# KiCad board oibus-mini-CCC_PANEL.kicad_pcb (continued)
## Routing (per net, layer and track width the routed paths; a pad name or vN(x,y) marks a point on that pad's centre or on a via; arc(x,y) is an arc through that point) (continued)
GND: length 5279.1
  Top w0.15: U6#2.2 38.26,21.06 C10#2.1 38.2,21.53 38.27,21.6 v2(38.39,21.6) ; R18#2.2 v2(52.6,30.41) ; U6#4.2 112.26,21.06 C10#4.1 112.2,21.53 112.27,21.6 v2(112.39,21.6) ; R18#4.2 v2(126.6,30.41) ; U6#3.2 75.26,21.06 C10#3.1 75.2,21.53 75.27,21.6 v2(75.39,21.6) ; R18#3.2 v2(89.6,30.41) ; R18#5.2 v2(163.6,30.41) ; U6#5.2 149.26,21.06 C10#6.1 149.2,21.53 149.27,21.6 v2(149.39,21.6) ; v2(186.39,21.6) 186.27,21.6 186.2,21.53 C10#5.1 186.26,21.06 U6#6.2 ; R18#6.2 v2(200.6,30.41) ; U6#8.2 260.26,21.06 C10#8.1 260.2,21.53 260.27,21.6 v2(260.39,21.6) ; R18#7.2 v2(274.6,30.41) ; R18#8.2 v2(237.6,30.41) ; U6#7.2 223.26,21.06 C10#7.1 223.2,21.53 223.27,21.6 v2(223.39,21.6) ; U6#12.2 38.26,87.06 C10#13.1 38.2,87.53 38.27,87.6 v2(38.39,87.6) ; R18#13.2 v2(52.6,96.41) ; R18#11.2 v2(89.6,96.41) ; U6#9.2 75.26,87.06 C10#12.1 75.2,87.53 75.27,87.6 v2(75.39,87.6) ; U6#10.2 1.26,87.06 C10#9.1 1.2,87.53 1.27,87.6 v2(1.39,87.6) ; R18#9.2 v2(15.6,96.41) ; v2(112.39,87.6) 112.27,87.6 112.2,87.53 C10#11.1 112.26,87.06 U6#11.2 ; R18#12.2 v2(126.6,96.41) ; U6#14.2 186.26,87.06 C10#14.1 186.2,87.53 186.27,87.6 v2(186.39,87.6) ; R18#10.2 v2(200.6,96.41) ; R18#14.2 v2(163.6,96.41) ; U6#13.2 149.26,87.06 C10#10.1 149.2,87.53 149.27,87.6 v2(149.39,87.6) ; v2(260.39,87.6) 260.27,87.6 260.2,87.53 C10#16.1 260.26,87.06 U6#16.2 ; R18#16.2 v2(237.6,96.41) ; U6#15.2 223.26,87.06 C10#15.1 223.2,87.53 223.27,87.6 v2(223.39,87.6) ; R18#15.2 v2(274.6,96.41) ; U6#24.2 1.26,219.06 C10#24.1 1.2,219.53 1.27,219.6 v2(1.39,219.6) ; R18#24.2 v2(15.6,228.41) ; U6#23.2 75.26,219.06 C10#28.1 75.2,219.53 75.27,219.6 v2(75.39,219.6) ; U6#28.2 38.26,219.06 C10#29.1 38.2,219.53 38.27,219.6 v2(38.39,219.6) ; R18#29.2 v2(52.6,228.41) ; R18#27.2 v2(89.6,228.41) ; v2(112.39,219.6) 112.27,219.6 112.2,219.53 C10#27.1 112.26,219.06 U6#27.2 ; R18#28.2 v2(126.6,228.41) ; R18#30.2 v2(163.6,228.41) ; U6#29.2 149.26,219.06 C10#26.1 149.2,219.53 149.27,219.6 v2(149.39,219.6) ; v2(186.39,219.6) 186.27,219.6 186.2,219.53 C10#30.1 186.26,219.06 U6#30.2 ; R18#26.2 v2(200.6,228.41) ; U6#20.2 38.26,153.06 C10#21.1 38.2,153.53 38.27,153.6 v2(38.39,153.6) ; R18#21.2 v2(52.6,162.41) ; R18#19.2 v2(89.6,162.41) ; U6#17.2 75.26,153.06 C10#20.1 75.2,153.53 75.27,153.6 v2(75.39,153.6) ; U6#18.2 1.26,153.06 C10#17.1 1.2,153.53 1.27,153.6 v2(1.39,153.6) ; R18#17.2 v2(15.6,162.41) ; v2(112.39,153.6) 112.27,153.6 112.2,153.53 C10#19.1 112.26,153.06 U6#19.2 ; R18#20.2 v2(126.6,162.41) ; U6#22.2 186.26,153.06 C10#22.1 186.2,153.53 186.27,153.6 v2(186.39,153.6) ; R18#18.2 v2(200.6,162.41) ; R18#22.2 v2(163.6,162.41) ; U6#21.2 149.26,153.06 C10#18.1 149.2,153.53 149.27,153.6 v2(149.39,153.6) ; v2(260.39,153.6) 260.27,153.6 260.2,153.53 C10#25.1 260.26,153.06 U6#26.2 ; R18#25.2 v2(237.6,162.41) ; U6#25.2 223.26,153.06 C10#23.1 223.2,153.53 223.27,153.6 v2(223.39,153.6) ; R18#23.2 v2(274.6,162.41) ; v2(260.39,219.6) 260.27,219.6 260.2,219.53 C10#32.1 260.26,219.06 U6#32.2 ; R18#31.2 v2(274.6,228.41) ; R18#32.2 v2(237.6,228.41) ; U6#31.2 223.26,219.06 C10#31.1 223.2,219.53 223.27,219.6 v2(223.39,219.6) ; v2(1.39,21.6) 1.27,21.6 1.2,21.53 C10.1 1.26,21.06 U6.2 ; R18.2 v2(15.6,30.41)
  Top w0.2: v2(49.8,48.81) 49.8,48.66 48.6,47.46 U2#2.1 ; v2(42.8,49.01) 42.9,48.91 U2#2.4 ; R23#2.2 v2(51.3,49.31) ; v2(41.05,48.94) 41,48.89 U2#2.5 ; v2(72.75,27.46) 72.79,27.5 C25#2.2 ; 42.4,21.06 41.45,21.06 41.2,20.81 40.95,21.06 40,21.06 ; 40.35,21.06 40.3,21.01 ; U6#2.8 41.05,21.56 41,21.51 U6#2.9 ; v2(50.2,23.61) 49.8,23.21 R5#2.2 ; v2(41.8,28.01) 42,27.81 C18#2.2 ; v2(40.2,26.21) 39.18,26.21 38.08,27.31 SW2#2.2 ; 37.8,35.56 37.8,32.99 38.08,32.71 SW2#2.2 ; 37.8,35.56 38.2,35.96 U2#2.10 v2(39.8,36.91) ; 37.8,35.56 38.2,35.56 v2(38.35,35.41) ; P1#2.3 54.53,26.03 v2(54.6,25.96) ; U3#2.6 69.53,55.01 v2(70.35,55.83) ; v2(65.64,37.76) 66.14,37.26 U8#2.8 ; v2(41.4,32.31) 41.71,32 C13#2.2 ; v2(41.4,32.31) 41,32.71 U2#2.11 ; v2(41.4,32.31) 41.5,32.21 ; U3#2.EGP7 66.47,55.08 v2(66.6,55.21) ; v2(66.6,55.21) 66.72,55.33 U3#2.EGP9 ; v2(66.6,55.21) U3#2.EGP10 65.58,57.48 66,57.91 U3#2.12 ; v2(66.6,55.21) 66.72,55.08 ; U3#2.14 64,57.81 64.42,57.38 U3#2.EGP11 64.33,56.23 v2(63.3,55.21) ; U8#2.35 57.45,34.26 C19#2.1 55.9,33.41 v2(55.5,33.01) ; C6#2.1 v2(71,18.51) ; v2(72.6,23.01) 72.9,22.71 D5#2.1 ; v2(68.7,26.41) 68.4,26.41 68.03,26.78 U7#2.2 ; U2#2.6 v2(40.1,44.51) ; v2(60.77,42.28) 60.89,42.16 U8#2.23 ; v2(57.1,41.91) 56.96,41.77 C20#2.1 ; v2(50,34.51) 49.6,34.11 U2#2.15 ; v2(53.2,37.11) 53,36.91 U2#2.16 ; H2#2.4 52.05,13.06 C9#2.1 54.3,15.97 54.3,14.81 v2(54.1,14.61) ; J2#2.6 J2#2.6 ; J2#2.6 J2#2.6 ; v2(43.24,11.08) 43.12,11.21 J2#2.5 J2#2.6 ; v2(43.24,11.08) 42.46,11.21 ; v2(43.24,11.08) 43.34,11.21 43.85,11.21 44.3,11.66 U10#2.3 ; C26#2.1 v2(73.4,34.51) ; C26#2.1 72.79,34.72 C16#2.2 ; C26#2.1 72.8,34.5 ; v2(66.74,29.41) 66.14,30.01 C21#2.1 65.39,30.63 U8#2.47 ; v2(64.1,13.41) 64.2,13.51 D6#2.3 ; v2(52.98,43.45) 52.98,44.02 52.5,44.51 U2#2.20 ; v2(66.75,52.61) 66.58,52.78 U3#2.EGP1 U3#2.EGP4 U3#2.EGP3 ; v4(65.7,7.61) 66.2,8.11 C14#2.1 ; R8#2.2 38.6,56.21 v2(38.7,56.31) ; C16#2.2 71.25,38.15 Y1#2.4 ; C16#2.2 70.35,36.26 v2(70.3,36.21) ; v2(65.9,26.01) 65.51,25.62 C15#2.1 ; Y1#2.2 72.82,40.37 C17#2.1 72.55,42.26 72.1,42.71 ; C22#2.1 C23#2.1 70.74,45.55 v2(71.4,46.21) ; v2(72.1,58.8) 72.79,58.11 C5#2.1 ; v2(67.9,50.11) 67.88,50.08 U3#2.30 U3#2.53 ; v2(62.2,50.21) 62.33,50.08 U3#2.26 ; v2(63.3,55.21) 63.27,55.23 U3#2.EGP12 ; v2(63.3,55.21) 63.42,55.08 U3#2.EGP8 ; R5#4.2 123.8,23.21 v2(124.2,23.61) ; U6#4.9 115,21.51 115.05,21.56 U6#4.8 ; 114.35,21.06 114.3,21.01 ; 114,21.06 114.95,21.06 115.2,20.81 115.45,21.06 116.4,21.06 ; R23#4.2 v2(125.3,49.31) ; v2(116.8,49.01) 116.9,48.91 U2#4.4 ; v2(123.8,48.81) 123.8,48.66 122.6,47.46 U2#4.1 ; v2(115.05,48.94) 115,48.89 U2#4.5 ; C25#4.2 146.79,27.5 v2(146.75,27.46) ; v2(86.8,48.81) 86.8,48.66 85.6,47.46 U2#3.1 ; v2(79.8,49.01) 79.9,48.91 U2#3.4 ; R23#3.2 v2(88.3,49.31) ; v2(78.05,48.94) 78,48.89 U2#3.5 ; v2(109.75,27.46) 109.79,27.5 C25#3.2 ; 79.4,21.06 78.45,21.06 78.2,20.81 77.95,21.06 77,21.06 ; 77.35,21.06 77.3,21.01 ; U6#3.8 78.05,21.56 78,21.51 U6#3.9 ; v2(87.2,23.61) 86.8,23.21 R5#3.2 ; v2(78.8,28.01) 79,27.81 C18#4.2 ; v2(77.2,26.21) 76.18,26.21 75.08,27.31 SW2#3.2 ; 74.8,35.56 74.8,32.99 75.08,32.71 SW2#3.2 ; 74.8,35.56 75.2,35.96 U2#3.10 v2(76.8,36.91) ; 74.8,35.56 75.2,35.56 v2(75.35,35.41) ; P1#4.3 91.53,26.03 v2(91.6,25.96) ; U3#3.6 106.53,55.01 v2(107.35,55.83) ; v2(102.64,37.76) 103.14,37.26 U8#4.8 ; v2(78.4,32.31) 78.71,32 C13#3.2 ; v2(78.4,32.31) 78,32.71 U2#3.11 ; v2(78.4,32.31) 78.5,32.21 ; U3#3.EGP7 103.47,55.08 v2(103.6,55.21) ; v2(103.6,55.21) 103.72,55.33 U3#3.EGP9 ; v2(103.6,55.21) U3#3.EGP10 102.58,57.48 103,57.91 U3#3.12 ; v2(103.6,55.21) 103.72,55.08 ; U3#3.14 101,57.81 101.42,57.38 U3#3.EGP11 101.33,56.23 v2(100.3,55.21) ; U8#4.35 94.45,34.26 C19#4.1 92.9,33.41 v2(92.5,33.01) ; C6#3.1 v2(108,18.51) ; v2(109.6,23.01) 109.9,22.71 D5#3.1 ; v2(105.7,26.41) 105.4,26.41 105.03,26.78 U7#4.2 ; U2#3.6 v2(77.1,44.51) ; v2(97.77,42.28) 97.89,42.16 U8#4.23 ; v2(94.1,41.91) 93.96,41.77 C20#4.1 ; v2(87,34.51) 86.6,34.11 U2#3.15 ; v2(90.2,37.11) 90,36.91 U2#3.16 ; H2#3.4 89.05,13.06 C9#3.1 91.3,15.97 91.3,14.81 v2(91.1,14.61) ; J2#3.6 J2#3.6 ; J2#3.6 J2#3.6 ; v2(80.24,11.08) 80.12,11.21 J2#3.5 J2#3.6 ; v2(80.24,11.08) 79.46,11.21 ; v2(80.24,11.08) 80.34,11.21 80.85,11.21 81.3,11.66 U10#3.3 ; C26#3.1 v2(110.4,34.51) ; C26#3.1 109.79,34.72 C16#4.2 ; C26#3.1 109.8,34.5 ; v2(103.74,29.41) 103.14,30.01 C21#4.1 102.39,30.63 U8#4.47 ; v2(101.1,13.41) 101.2,13.51 D6#4.3 ; v2(89.98,43.45) 89.98,44.02 89.5,44.51 U2#3.20 ; v2(103.75,52.61) 103.58,52.78 U3#3.EGP1 U3#3.EGP4 U3#3.EGP3 ; v4(102.7,7.61) 103.2,8.11 C14#4.1 ; R8#3.2 75.6,56.21 v2(75.7,56.31) ; C16#4.2 108.25,38.15 Y1#4.4 ; C16#4.2 107.35,36.26 v2(107.3,36.21) ; v2(102.9,26.01) 102.51,25.62 C15#4.1 ; Y1#4.2 109.82,40.37 C17#4.1 109.55,42.26 109.1,42.71 ; C22#4.1 C23#4.1 107.74,45.55 v2(108.4,46.21) ; v2(109.1,58.8) 109.79,58.11 C5#3.1 ; v2(104.9,50.11) 104.88,50.08 U3#3.30 U3#3.53 ; v2(99.2,50.21) 99.33,50.08 U3#3.26 ; v2(100.3,55.21) 100.28,55.23 U3#3.EGP12 ; v2(100.3,55.21) 100.42,55.08 U3#3.EGP8 ; U3#4.6 143.53,55.01 v2(144.35,55.83) ; v2(112.35,35.41) 112.2,35.56 111.8,35.56 ; 111.8,35.56 112.2,35.96 U2#4.10 v2(113.8,36.91) ; 111.8,35.56 111.8,32.99 112.08,32.71 SW2#4.2 ; v2(128.6,25.96) 128.53,26.03 P1#3.3 ; v2(139.64,37.76) 140.14,37.26 U8#3.8 ; v2(115.8,28.01) 116,27.81 C18#3.2 ; SW2#4.2 112.08,27.31 113.18,26.21 v2(114.2,26.21) ; C26#4.1 146.79,34.72 C16#3.2 ; C26#4.1 146.8,34.5 ; C26#4.1 v2(147.4,34.51) ; C16#3.2 145.25,38.15 Y1#3.4 ; C16#3.2 144.35,36.26 v2(144.3,36.21) ; U10#4.3 118.3,11.66 117.85,11.21 117.34,11.21 v2(117.24,11.08) ; v2(139.9,26.01) 139.51,25.62 C15#3.1 ; U8#3.47 139.39,30.63 C21#3.1 140.14,30.01 v2(140.74,29.41) ; Y1#3.2 146.82,40.37 C17#3.1 146.55,42.26 146.1,42.71 ; C22#3.1 C23#3.1 144.74,45.55 v2(145.4,46.21) ; v2(146.1,58.8) 146.79,58.11 C5#4.1 ; v2(141.9,50.11) 141.88,50.08 U3#4.30 U3#4.53 ; v2(136.2,50.21) 136.32,50.08 U3#4.26 ; v2(137.3,55.21) 137.28,55.23 U3#4.EGP12 ; v2(137.3,55.21) 137.43,55.08 U3#4.EGP8 ; v2(137.3,55.21) 138.32,56.23 U3#4.EGP11 138.43,57.38 138,57.81 U3#4.14 ; v2(140.6,55.21) 140.47,55.08 U3#4.EGP7 ; v2(140.6,55.21) 140.72,55.08 ; v2(140.6,55.21) 140.72,55.33 U3#4.EGP9 ; v2(140.6,55.21) U3#4.EGP10 139.57,57.48 140,57.91 U3#4.12 ; v2(129.5,33.01) 129.9,33.41 C19#3.1 131.45,34.26 U8#3.35 ; C6#4.1 v2(145,18.51) ; v2(146.6,23.01) 146.9,22.71 D5#4.1 ; v2(142.7,26.41) 142.4,26.41 142.03,26.78 U7#3.2 ; U2#4.6 v2(114.1,44.51) ; v2(134.77,42.28) 134.89,42.16 U8#3.23 ; v2(131.1,41.91) 130.96,41.77 C20#3.1 ; v2(124,34.51) 123.6,34.11 U2#4.15 ; v2(127.2,37.11) 127,36.91 U2#4.16 ; v2(115.4,32.31) 115,32.71 U2#4.11 ; v2(115.4,32.31) 115.5,32.21 ; v2(115.4,32.31) 115.71,32 C13#4.2 ; H2#4.4 126.05,13.06 C9#4.1 128.3,15.97 128.3,14.81 v2(128.1,14.61) ; J2#4.6 J2#4.6 ; J2#4.6 J2#4.6 ; v2(117.24,11.08) 117.12,11.21 J2#4.5 J2#4.6 ; v2(117.24,11.08) 116.46,11.21 ; v2(138.1,13.41) 138.2,13.51 D6#3.3 ; v2(126.98,43.45) 126.98,44.02 126.5,44.51 U2#4.20 ; v2(140.75,52.61) 140.57,52.78 U3#4.EGP1 U3#4.EGP4 U3#4.EGP3 ; v4(139.7,7.61) 140.2,8.11 C14#3.1 ; R8#4.2 112.6,56.21 v2(112.7,56.31) ; v2(152.8,28.01) 153,27.81 C18#6.2 ; v2(151.2,26.21) 150.18,26.21 149.08,27.31 SW2#5.2 ; R5#6.2 160.8,23.21 v2(161.2,23.61) ; U6#5.9 152,21.51 152.05,21.56 U6#5.8 ; 148.8,35.56 149.2,35.96 U2#6.10 v2(150.8,36.91) ; 148.8,35.56 148.8,32.99 149.08,32.71 SW2#5.2 ; 148.8,35.56 149.2,35.56 v2(149.35,35.41) ; 151.35,21.06 151.3,21.01 ; 151,21.06 151.95,21.06 152.2,20.81 152.45,21.06 153.4,21.06 ; U2#6.4 153.9,48.91 v2(153.8,49.01) ; R23#5.2 v2(162.3,49.31) ; v2(160.8,48.81) 160.8,48.66 159.6,47.46 U2#6.1 ; v2(152.05,48.94) 152,48.89 U2#6.5 ; v2(183.75,27.46) 183.79,27.5 C25#5.2 ; U3#6.6 180.53,55.01 v2(181.35,55.83) ; v2(165.6,25.96) 165.53,26.03 P1#6.3 ; U8#6.8 177.14,37.26 v2(176.64,37.76) ; R8#6.2 149.6,56.21 v2(149.7,56.31) ; C26#5.1 183.79,34.72 C16#6.2 ; C26#5.1 183.8,34.5 ; C26#5.1 v2(184.4,34.51) ; C16#6.2 182.25,38.15 Y1#6.4 ; C16#6.2 181.35,36.26 v2(181.3,36.21) ; U10#5.3 155.3,11.66 154.85,11.21 154.34,11.21 v2(154.24,11.08) ; v2(176.9,26.01) 176.51,25.62 C15#6.1 ; U8#6.47 176.39,30.63 C21#6.1 177.14,30.01 v2(177.74,29.41) ; Y1#6.2 183.82,40.37 C17#6.1 183.55,42.26 183.1,42.71 ; C22#6.1 C23#6.1 181.74,45.55 v2(182.4,46.21) ; v2(183.1,58.8) 183.79,58.11 C5#6.1 ; v2(178.9,50.11) 178.88,50.08 U3#6.30 U3#6.53 ; v2(173.2,50.21) 173.32,50.08 U3#6.26 ; U3#6.EGP7 177.47,55.08 v2(177.6,55.21) ; v2(177.6,55.21) 177.72,55.33 U3#6.EGP9 ; v2(177.6,55.21) U3#6.EGP10 176.57,57.48 177,57.91 U3#6.12 ; v2(177.6,55.21) 177.72,55.08 ; U3#6.14 175,57.81 175.43,57.38 U3#6.EGP11 175.32,56.23 v2(174.3,55.21) ; U8#6.35 168.45,34.26 C19#6.1 166.9,33.41 v2(166.5,33.01) ; C6#5.1 v2(182,18.51) ; v2(183.6,23.01) 183.9,22.71 D5#6.1 ; v2(179.7,26.41) 179.4,26.41 179.03,26.78 U7#6.2 ; U2#6.6 v2(151.1,44.51) ; v2(171.77,42.28) 171.89,42.16 U8#6.23 ; v2(168.1,41.91) 167.96,41.77 C20#6.1 ; v2(161,34.51) 160.6,34.11 U2#6.15 ; v2(164.2,37.11) 164,36.91 U2#6.16 ; v2(152.4,32.31) 152,32.71 U2#6.11 ; v2(152.4,32.31) 152.5,32.21 ; v2(152.4,32.31) 152.71,32 C13#5.2 ; H2#6.4 163.05,13.06 C9#6.1 165.3,15.97 165.3,14.81 v2(165.1,14.61) ; J2#5.6 J2#5.6 ; J2#5.6 J2#5.6 ; v2(154.24,11.08) 154.12,11.21 J2#5.5 J2#5.6 ; v2(154.24,11.08) 153.46,11.21 ; v2(175.1,13.41) 175.2,13.51 D6#6.3 ; v2(163.98,43.45) 163.98,44.02 163.5,44.51 U2#6.20 ; v2(177.75,52.61) 177.57,52.78 U3#6.EGP1 U3#6.EGP4 U3#6.EGP3 ; v4(176.7,7.61) 177.2,8.11 C14#6.1 ; 188,21.06 188.95,21.06 189.2,20.81 189.45,21.06 190.4,21.06 ; v2(198.2,23.61) 197.8,23.21 R5#5.2 ; 188.35,21.06 188.3,21.01 ; U6#6.9 189,21.51 189.05,21.56 U6#6.8 ; U2#5.5 189,48.89 v2(189.05,48.94) ; R23#6.2 v2(199.3,49.31) ; v2(190.8,49.01) 190.9,48.91 U2#5.4 ; v2(197.8,48.81) 197.8,48.66 196.6,47.46 U2#5.1 ; v2(220.75,27.46) 220.79,27.5 C25#6.2 ; U3#5.6 217.53,55.01 v2(218.35,55.83) ; v2(186.35,35.41) 186.2,35.56 185.8,35.56 ; 185.8,35.56 186.2,35.96 U2#5.10 v2(187.8,36.91) ; 185.8,35.56 185.8,32.99 186.08,32.71 SW2#6.2 ; v2(202.6,25.96) 202.53,26.03 P1#5.3 ; v2(213.64,37.76) 214.14,37.26 U8#5.8 ; v2(189.8,28.01) 190,27.81 C18#5.2 ; SW2#6.2 186.08,27.31 187.18,26.21 v2(188.2,26.21) ; v2(174.3,55.21) 174.28,55.23 U3#6.EGP12 ; v2(174.3,55.21) 174.43,55.08 U3#6.EGP8 ; v2(214.75,52.61) 214.57,52.78 U3#5.EGP1 U3#5.EGP4 U3#5.EGP3 ; v4(213.7,7.61) 214.2,8.11 C14#5.1 ; R8#5.2 186.6,56.21 v2(186.7,56.31) ; U3#5.14 212,57.81 212.43,57.38 U3#5.EGP11 212.32,56.23 v2(211.3,55.21) ; v2(189.4,32.31) 189.71,32 C13#6.2 ; v2(189.4,32.31) 189,32.71 U2#5.11 ; v2(189.4,32.31) 189.5,32.21 ; v2(214.6,55.21) 214.72,55.33 U3#5.EGP9 ; v2(214.6,55.21) U3#5.EGP10 213.57,57.48 214,57.91 U3#5.12 ; v2(214.6,55.21) 214.47,55.08 U3#5.EGP7 ; v2(214.6,55.21) 214.72,55.08 ; U8#5.35 205.45,34.26 C19#5.1 203.9,33.41 v2(203.5,33.01) ; C22#5.1 C23#5.1 218.74,45.55 v2(219.4,46.21) ; v2(220.1,58.8) 220.79,58.11 C5#5.1 ; v2(215.9,50.11) 215.88,50.08 U3#5.30 U3#5.53 ; v2(210.2,50.21) 210.32,50.08 U3#5.26 ; v2(211.3,55.21) 211.28,55.23 U3#5.EGP12 ; v2(211.3,55.21) 211.43,55.08 U3#5.EGP8 ; C6#6.1 v2(219,18.51) ; v2(220.6,23.01) 220.9,22.71 D5#5.1 ; v2(216.7,26.41) 216.4,26.41 216.03,26.78 U7#5.2 ; U2#5.6 v2(188.1,44.51) ; v2(208.77,42.28) 208.89,42.16 U8#5.23 ; v2(205.1,41.91) 204.96,41.77 C20#5.1 ; v2(198,34.51) 197.6,34.11 U2#5.15 ; v2(201.2,37.11) 201,36.91 U2#5.16 ; H2#5.4 200.05,13.06 C9#5.1 202.3,15.97 202.3,14.81 v2(202.1,14.61) ; J2#6.6 J2#6.6 ; J2#6.6 J2#6.6 ; v2(191.24,11.08) 191.12,11.21 J2#6.5 J2#6.6 ; v2(191.24,11.08) 190.46,11.21 ; v2(191.24,11.08) 191.34,11.21 191.85,11.21 192.3,11.66 U10#6.3 ; C26#6.1 v2(221.4,34.51) ; C26#6.1 220.79,34.72 C16#5.2 ; C26#6.1 220.8,34.5 ; v2(214.74,29.41) 214.14,30.01 C21#5.1 213.39,30.63 U8#5.47 ; v2(212.1,13.41) 212.2,13.51 D6#5.3 ; v2(200.98,43.45) 200.98,44.02 200.5,44.51 U2#5.20 ; C16#5.2 219.25,38.15 Y1#5.4 ; C16#5.2 218.35,36.26 v2(218.3,36.21) ; v2(213.9,26.01) 213.51,25.62 C15#5.1 ; Y1#5.2 220.82,40.37 C17#5.1 220.55,42.26 220.1,42.71 ; U2#8.5 263,48.89 v2(263.05,48.94) ; R23#7.2 v2(273.3,49.31) ; v2(264.8,49.01) 264.9,48.91 U2#8.4 ; v2(271.8,48.81) 271.8,48.66 270.6,47.46 U2#8.1 ; v2(294.75,27.46) 294.79,27.5 C25#7.2 ; U3#8.12 251,57.91 250.57,57.48 U3#8.EGP10 v2(251.6,55.21) ; U8#7.35 242.45,34.26 C19#7.1 240.9,33.41 v2(240.5,33.01) ; C6#8.1 v2(256,18.51) ; v2(257.6,23.01) 257.9,22.71 D5#7.1 ; v2(253.7,26.41) 253.4,26.41 253.03,26.78 U7#8.2 ; U2#7.6 v2(225.1,44.51) ; v2(245.77,42.28) 245.89,42.16 U8#7.23 ; v2(242.1,41.91) 241.96,41.77 C20#8.1 ; v2(235,34.51) 234.6,34.11 U2#7.15 ; v2(238.2,37.11) 238,36.91 U2#7.16 ; v2(224.8,36.91) U2#7.10 223.2,35.96 222.8,35.56 ; v2(226.4,32.31) 226,32.71 U2#7.11 ; v2(226.4,32.31) 226.5,32.21 ; v2(226.4,32.31) 226.71,32 C13#8.2 ; H2#7.4 237.05,13.06 C9#7.1 239.3,15.97 239.3,14.81 v2(239.1,14.61) ; J2#8.6 J2#8.6 ; J2#8.6 J2#8.6 ; v2(228.24,11.08) 228.12,11.21 J2#8.5 J2#8.6 ; v2(228.24,11.08) 227.46,11.21 ; v2(228.24,11.08) 228.34,11.21 228.85,11.21 229.3,11.66 U10#8.3 ; C26#8.1 v2(258.4,34.51) ; C26#8.1 257.79,34.72 C16#7.2 ; C26#8.1 257.8,34.5 ; v2(251.74,29.41) 251.14,30.01 C21#7.1 250.39,30.63 U8#7.47 ; v2(249.1,13.41) 249.2,13.51 D6#8.3 ; v2(237.98,43.45) 237.98,44.02 237.5,44.51 U2#7.20 ; 251.72,55.08 v2(251.6,55.21) ; v2(251.6,55.21) 251.72,55.33 U3#8.EGP9 ; v2(251.6,55.21) 251.47,55.08 U3#8.EGP7 ; v2(251.75,52.61) 251.57,52.78 U3#8.EGP1 U3#8.EGP4 U3#8.EGP3 ; v4(250.7,7.61) 251.2,8.11 C14#8.1 ; 262,21.06 262.95,21.06 263.2,20.81 263.45,21.06 264.4,21.06 ; v2(272.2,23.61) 271.8,23.21 R5#7.2 ; 262.35,21.06 262.3,21.01 ; U6#8.9 263,21.51 263.05,21.56 U6#8.8 ; C16#7.2 256.25,38.15 Y1#8.4 ; C16#7.2 255.35,36.26 v2(255.3,36.21) ; v2(250.9,26.01) 250.51,25.62 C15#7.1 ; Y1#8.2 257.82,40.37 C17#8.1 257.55,42.26 257.1,42.71 ; C22#8.1 C23#8.1 255.74,45.55 v2(256.4,46.21) ; v2(257.1,58.8) 257.79,58.11 C5#8.1 ; v2(252.9,50.11) 252.88,50.08 U3#8.30 U3#8.53 ; v2(247.2,50.21) 247.32,50.08 U3#8.26 ; U3#8.14 249,57.81 249.43,57.38 U3#8.EGP11 249.32,56.23 v2(248.3,55.21) ; v2(257.75,27.46) 257.79,27.5 C25#8.2 ; 227.4,21.06 226.45,21.06 226.2,20.81 225.95,21.06 225,21.06 ; U6#7.8 226.05,21.56 226,21.51 U6#7.9 ; U3#8.6 254.53,55.01 v2(255.35,55.83) ; v2(239.6,25.96) 239.53,26.03 P1#8.3 ; U8#7.8 251.14,37.26 v2(250.64,37.76) ; R8#7.2 223.6,56.21 v2(223.7,56.31) ; U2#7.1 233.6,47.46 234.8,48.66 v2(234.8,48.81) ; v2(226.8,28.01) 227,27.81 C18#8.2 ; v2(225.2,26.21) 224.18,26.21 223.08,27.31 SW2#8.2 ; R5#8.2 234.8,23.21 v2(235.2,23.61) ; 222.8,35.56 222.8,32.99 223.08,32.71 SW2#8.2 ; 222.8,35.56 223.2,35.56 v2(223.35,35.41) ; 225.35,21.06 225.3,21.01 ; U2#7.4 227.9,48.91 v2(227.8,49.01) ; R23#8.2 v2(236.3,49.31) ; v2(226.05,48.94) 226,48.89 U2#7.5 ; v2(248.3,55.21) 248.28,55.23 U3#8.EGP12 ; v2(248.3,55.21) 248.43,55.08 U3#8.EGP8 ; v2(263.8,28.01) 264,27.81 C18#7.2 ; SW2#7.2 260.08,27.31 261.18,26.21 v2(262.2,26.21) ; 259.8,35.56 259.8,32.99 260.08,32.71 SW2#7.2 ; 259.8,35.56 260.2,35.96 U2#8.10 v2(261.8,36.91) ; 259.8,35.56 260.2,35.56 v2(260.35,35.41) ; U3#7.6 291.53,55.01 v2(292.35,55.83) ; v2(276.6,25.96) 276.53,26.03 P1#7.3 ; v2(287.64,37.76) 288.14,37.26 U8#8.8 ; v2(288.75,52.61) 288.57,52.78 U3#7.EGP1 U3#7.EGP4 U3#7.EGP3 ; v4(287.7,7.61) 288.2,8.11 C14#7.1 ; R8#8.2 260.6,56.21 v2(260.7,56.31) ; U3#7.14 286,57.81 286.43,57.38 U3#7.EGP11 286.32,56.23 v2(285.3,55.21) ; v2(263.4,32.31) 263.71,32 C13#7.2 ; v2(263.4,32.31) 263,32.71 U2#8.11 ; v2(263.4,32.31) 263.5,32.21 ; C26#7.1 294.79,34.72 C16#8.2 ; C26#7.1 294.8,34.5 ; C26#7.1 v2(295.4,34.51) ; C16#8.2 293.25,38.15 Y1#7.4 ; C16#8.2 292.35,36.26 v2(292.3,36.21) ; U10#7.3 266.3,11.66 265.85,11.21 265.34,11.21 v2(265.24,11.08) ; v2(287.9,26.01) 287.51,25.62 C15#8.1 ; U8#8.47 287.39,30.63 C21#8.1 288.14,30.01 v2(288.74,29.41) ; Y1#7.2 294.82,40.37 C17#7.1 294.55,42.26 294.1,42.71 ; U8#8.23 282.89,42.16 v2(282.77,42.28) ; v2(279.1,41.91) 278.96,41.77 C20#7.1 ; v2(272,34.51) 271.6,34.11 U2#8.15 ; v2(275.2,37.11) 275,36.91 U2#8.16 ; H2#8.4 274.05,13.06 C9#8.1 276.3,15.97 276.3,14.81 v2(276.1,14.61) ; J2#7.6 J2#7.6 ; J2#7.6 J2#7.6 ; v2(265.24,11.08) 265.12,11.21 J2#7.5 J2#7.6 ; v2(265.24,11.08) 264.46,11.21 ; v2(286.1,13.41) 286.2,13.51 D6#7.3 ; v2(274.98,43.45) 274.98,44.02 274.5,44.51 U2#8.20 ; 288.73,55.08 v2(288.6,55.21) ; v2(288.6,55.21) 288.73,55.33 U3#7.EGP9 ; v2(288.6,55.21) U3#7.EGP10 287.57,57.48 288,57.91 U3#7.12 ; v2(288.6,55.21) 288.48,55.08 U3#7.EGP7 ; U8#8.35 279.45,34.26 C19#8.1 277.9,33.41 v2(277.5,33.01) ; C22#7.1 C23#7.1 292.74,45.55 v2(293.4,46.21) ; v2(294.1,58.8) 294.79,58.11 C5#7.1 ; v2(289.9,50.11) 289.88,50.08 U3#7.30 U3#7.53 ; v2(284.2,50.21) 284.32,50.08 U3#7.26 ; v2(285.3,55.21) 285.27,55.23 U3#7.EGP12 ; v2(285.3,55.21) 285.43,55.08 U3#7.EGP8 ; C6#7.1 v2(293,18.51) ; v2(294.6,23.01) 294.9,22.71 D5#8.1 ; v2(290.7,26.41) 290.4,26.41 290.03,26.78 U7#7.2 ; U2#8.6 v2(262.1,44.51) ; R5#12.2 49.8,89.21 v2(50.2,89.61) ; v2(78.8,94.01) 79,93.81 C18#14.2 ; v2(77.2,92.21) 76.18,92.21 75.08,93.31 SW2#11.2 ; U6#12.9 41,87.51 41.05,87.56 U6#12.8 ; R5#11.2 86.8,89.21 v2(87.2,89.61) ; U6#9.9 78,87.51 78.05,87.56 U6#9.8 ; 40.35,87.06 40.3,87.01 ; 40,87.06 40.95,87.06 41.2,86.81 41.45,87.06 42.4,87.06 ; 74.8,101.56 75.2,101.96 U2#13.10 v2(76.8,102.91) ; 74.8,101.56 74.8,98.99 75.08,98.71 SW2#11.2 ; 74.8,101.56 75.2,101.56 v2(75.35,101.41) ; 77.35,87.06 77.3,87.01 ; 77,87.06 77.95,87.06 78.2,86.81 78.45,87.06 79.4,87.06 ; R23#13.2 v2(51.3,115.31) ; v2(42.8,115.01) 42.9,114.91 U2#12.4 ; v2(49.8,114.81) 49.8,114.66 48.6,113.46 U2#12.1 ; U2#13.4 79.9,114.91 v2(79.8,115.01) ; R23#11.2 v2(88.3,115.31) ; v2(86.8,114.81) 86.8,114.66 85.6,113.46 U2#13.1 ; v2(78.05,114.94) 78,114.89 U2#13.5 ; v2(41.05,114.94) 41,114.89 U2#12.5 ; v2(109.75,93.46) 109.79,93.5 C25#11.2 ; C25#13.2 72.79,93.5 v2(72.75,93.46) ; v2(12.8,114.81) 12.8,114.66 11.6,113.46 U2#9.1 ; v2(5.8,115.01) 5.9,114.91 U2#9.4 ; R23#9.2 v2(14.3,115.31) ; v2(4.05,114.94) 4,114.89 U2#9.5 ; v2(35.75,93.46) 35.79,93.5 C25#9.2 ; 5.4,87.06 4.45,87.06 4.2,86.81 3.95,87.06 3,87.06 ; 3.35,87.06 3.3,87.01 ; U6#10.8 4.05,87.56 4,87.51 U6#10.9 ; v2(13.2,89.61) 12.8,89.21 R5#9.2 ; v2(4.8,94.01) 5,93.81 C18#10.2 ; v2(3.2,92.21) 2.18,92.21 1.08,93.31 SW2#9.2 ; 0.8,101.56 0.8,98.99 1.08,98.71 SW2#9.2 ; 0.8,101.56 1.2,101.96 U2#9.10 v2(2.8,102.91) ; 0.8,101.56 1.2,101.56 v2(1.35,101.41) ; P1#10.3 17.53,92.03 v2(17.6,91.96) ; U3#9.6 32.53,121.01 v2(33.35,121.83) ; v2(28.64,103.76) 29.14,103.26 U8#11.8 ; v2(4.4,98.31) 4.71,98 C13#9.2 ; v2(4.4,98.31) 4,98.71 U2#9.11 ; v2(4.4,98.31) 4.5,98.21 ; U3#9.EGP7 29.48,121.08 v2(29.6,121.21) ; v2(29.6,121.21) 29.73,121.33 U3#9.EGP9 ; v2(29.6,121.21) U3#9.EGP10 28.57,123.48 29,123.91 U3#9.12 ; v2(29.6,121.21) 29.73,121.08 ; U3#9.14 27,123.81 27.43,123.38 U3#9.EGP11 27.32,122.23 v2(26.3,121.21) ; U8#11.35 20.45,100.26 C19#11.1 18.9,99.41 v2(18.5,99.01) ; C6#9.1 v2(34,84.51) ; v2(35.6,89.01) 35.9,88.71 D5#9.1 ; v2(31.7,92.41) 31.4,92.41 31.03,92.78 U7#10.2 ; U2#9.6 v2(3.1,110.51) ; v2(23.77,108.28) 23.89,108.16 U8#11.23 ; v2(20.1,107.91) 19.96,107.77 C20#10.1 ; v2(13,100.51) 12.6,100.11 U2#9.15 ; v2(16.2,103.11) 16,102.91 U2#9.16 ; H2#9.4 15.05,79.06 C9#9.1 17.3,81.97 17.3,80.81 v2(17.1,80.61) ; J2#9.6 J2#9.6 ; J2#9.6 J2#9.6 ; v2(6.24,77.08) 6.12,77.21 J2#9.5 J2#9.6 ; v2(6.24,77.08) 5.46,77.21 ; v2(6.24,77.08) 6.34,77.21 6.85,77.21 7.3,77.66 U10#9.3 ; C26#9.1 v2(36.4,100.51) ; C26#9.1 35.79,100.72 C16#11.2 ; C26#9.1 35.8,100.5 ; v2(29.74,95.41) 29.14,96.01 C21#11.1 28.39,96.63 U8#11.47 ; v2(27.1,79.41) 27.2,79.51 D6#10.3 ; v2(15.98,109.45) 15.98,110.02 15.5,110.51 U2#9.20 ; v2(29.75,118.61) 29.57,118.78 U3#9.EGP1 U3#9.EGP4 U3#9.EGP3 ; v4(28.7,73.61) 29.2,74.11 C14#10.1 ; R8#9.2 1.6,122.21 v2(1.7,122.31) ; C16#11.2 34.25,104.15 Y1#10.4 ; C16#11.2 33.35,102.26 v2(33.3,102.21) ; v2(28.9,92.01) 28.51,91.62 C15#11.1 ; Y1#10.2 35.82,106.37 C17#10.1 35.55,108.26 35.1,108.71 ; C22#10.1 C23#10.1 33.74,111.55 v2(34.4,112.21) ; v2(35.1,124.8) 35.79,124.11 C5#9.1 ; v2(30.9,116.11) 30.88,116.08 U3#9.30 U3#9.53 ; v2(25.2,116.21) 25.32,116.08 U3#9.26 ; v2(26.3,121.21) 26.27,121.23 U3#9.EGP12 ; v2(26.3,121.21) 26.43,121.08 U3#9.EGP8 ; U3#11.6 106.53,121.01 v2(107.35,121.83) ; v2(91.6,91.96) 